# Allegro board 08_038702e.brd (continued)
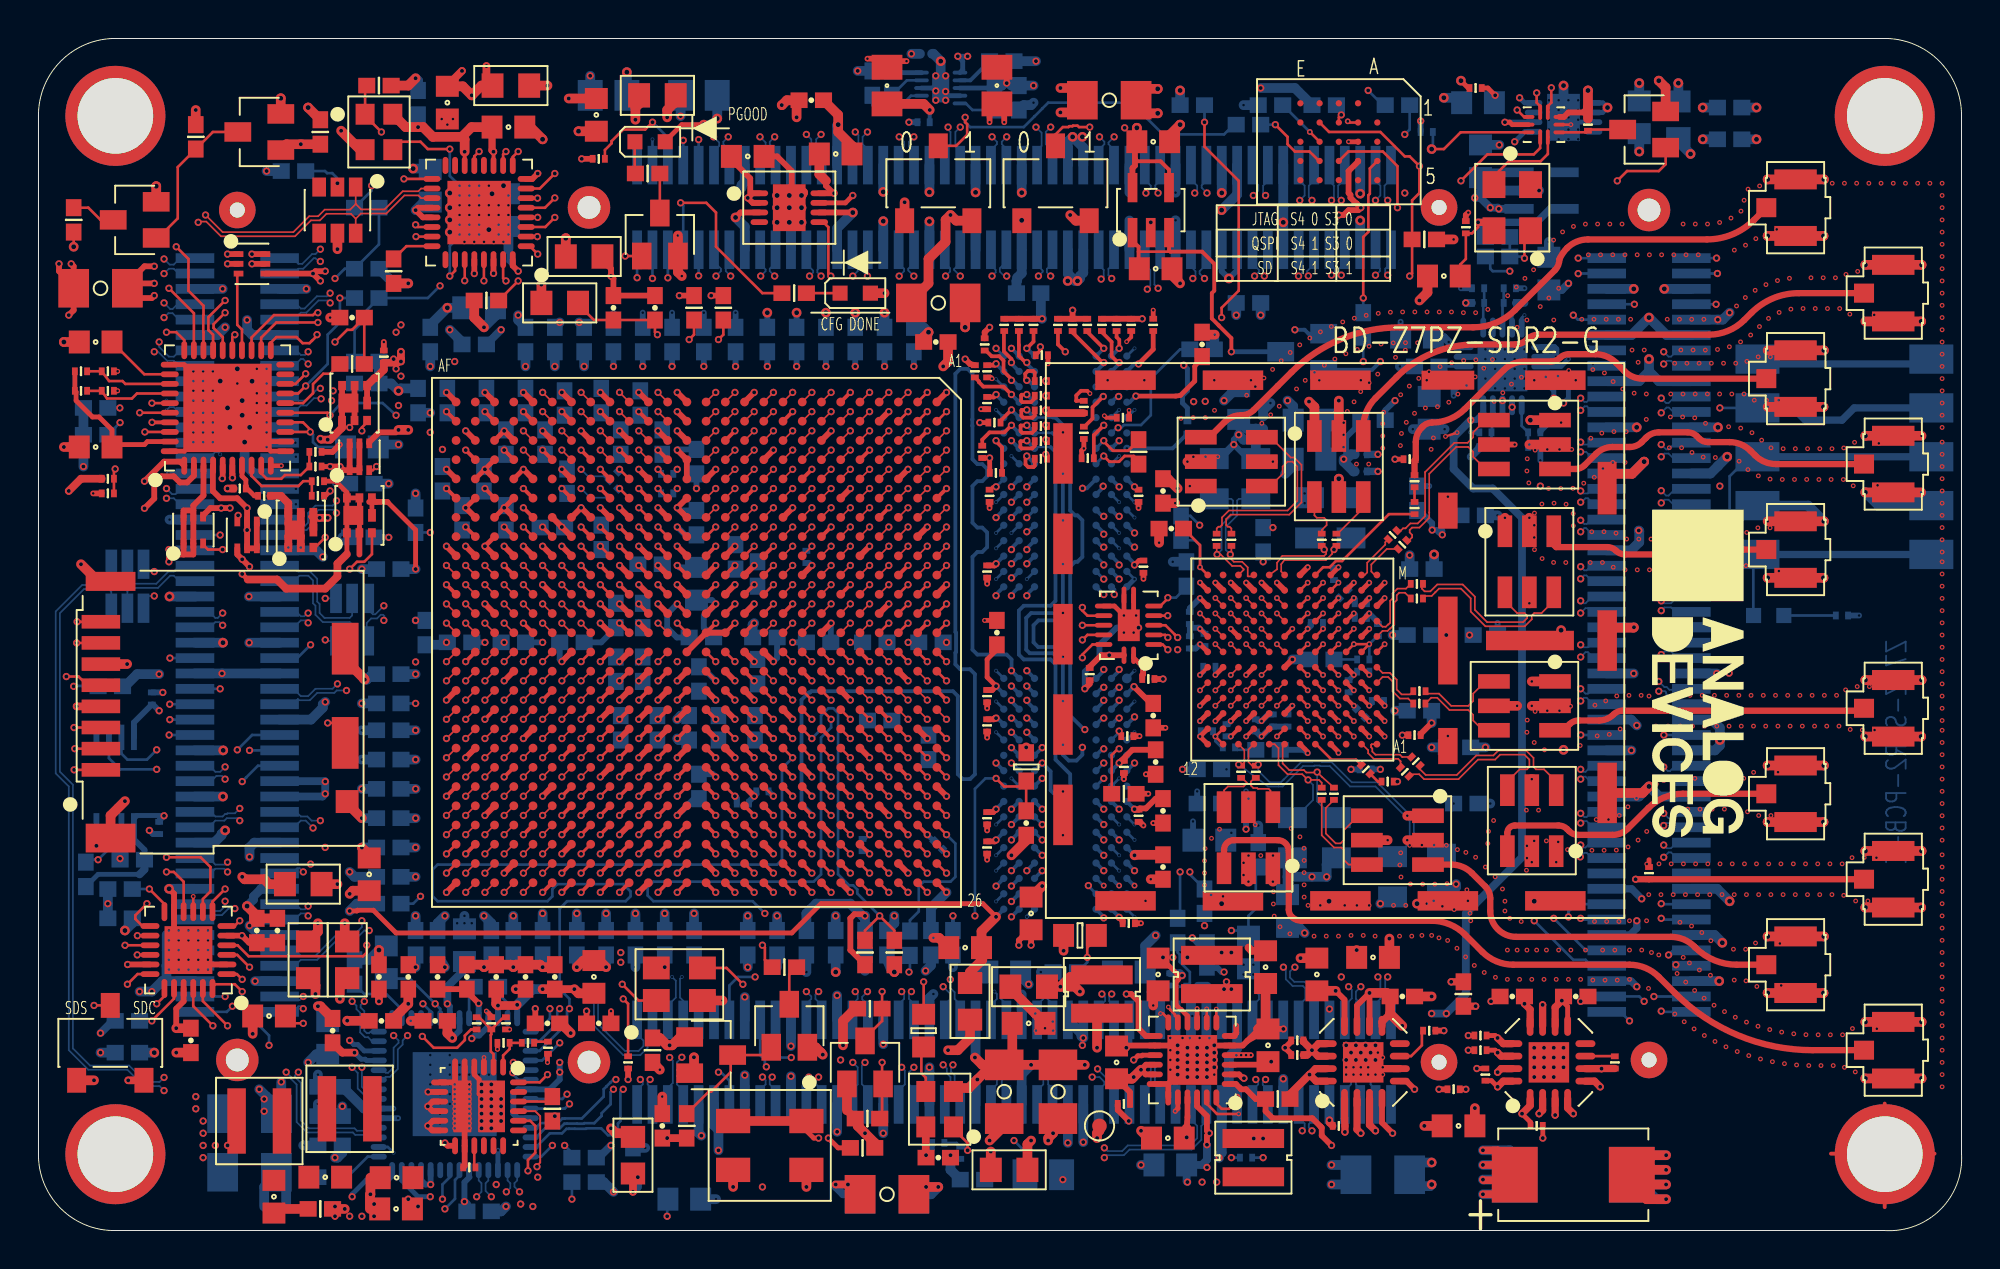
[diagram p0: board, top side]
## Routing (per net, layer and track width the routed paths; a pad name or vN(x,y) marks a point on that pad's centre or on a via; arc(x,y) is an arc through that point) (continued)
DDR3_DQ3: length 43.7
  TOP w0.197: U1.G26 v1(41.22,17.59)
  L17_SIG w0.14: v1(41.22,17.59) 41.64,18.02 43.23,18.02 43.85,18.64 43.85,18.74 44.07,18.95 48.36,18.95 49.33,19.92 52.88,19.92 53.14,19.67 53.14,15.6 53.67,15.08 53.67,14.4 53.65,14.38 53.65,11.67 53.39,11.41 50.09,11.41 49.84,11.16 49.84,10.78 50.09,10.52 54.66,10.52 54.92,10.78 54.92,15.09 54.15,15.86 54.15,19.54 54.54,19.92 55.68,19.92 56.07,20.31 v1(56.19,20.31)
  BOTTOM w0.197: U2.F8 v1(56.19,20.31)
DDR3_DQ4: length 43.5
  TOP w0.197: U1.H26 v1(40.22,17.59)
  L3_SIG w0.14: v1(52.19,21.91) 51.83,21.55 49.84,21.55 49.58,21.3 49.58,20.94 49.84,20.68 54.44,20.68 54.66,20.46 54.66,20.14 54.44,19.92 49.2,19.92 48.82,19.54 48.82,19.41 49.08,19.15 55.54,19.15 55.55,19.16 56.2,19.16 56.44,18.92 56.44,18.59 56.2,18.35 50.44,18.35 50.4,18.4 49.46,18.4 49.2,18.14 46.15,18.14 45.77,17.76 45.77,16.87 44.76,15.86 41.2,15.86 40.22,16.84 v1(40.22,17.59)
  BOTTOM w0.197: U2.H3 v1(52.19,21.91)
DDR3_DQ5: length 43.6
  TOP w0.197: U1.H23 v1(40.22,20.59)
  L4_SIG w0.14: v1(56.19,21.91) 56.48,21.91 56.95,22.38 56.95,22.46 57.2,22.71 57.96,22.71 58.22,22.97 59.62,22.97 60,23.35 61.52,23.35 61.88,22.99 61.88,22.86 62.54,22.21 64.19,22.21 64.57,22.59 64.57,23.24 64.19,23.62 62.01,23.62 61.39,24.24 60.38,24.24 60,24.62 60,24.67 59.66,25 59.19,25 58.85,24.67 58.85,23.73 58.63,23.51 58.44,23.51 58.22,23.73 58.22,25.38 57.97,25.64 57.61,25.64 57.35,25.38 57.35,23.36 57.14,23.15 56.72,23.15 55.9,22.33 55.3,22.33 54.52,21.55 50.34,21.55 49.86,21.06 49.46,21.06 48.82,20.43 47.93,20.43 47.3,21.06 40.69,21.06 40.22,20.59 v1(40.22,20.59)
  BOTTOM w0.197: U2.H8 v1(56.19,21.91)
DDR3_DQ6: length 43.4
  TOP w0.197: U1.J24 v1(39.22,19.59)
  L4_SIG w0.14: v1(39.22,19.59) 39.65,19.15 39.67,19.15 39.68,19.16 40.28,19.16 40.82,18.61 40.82,16.24 41.07,15.98 41.84,15.98 41.96,16.11 41.96,16.68 42.15,16.87 42.42,16.87 42.62,16.68 42.62,16.21 42.83,16 42.83,16 42.85,15.98 49.11,15.98 49.33,15.76 49.33,15.44 49.11,15.22 40.57,15.22 39.68,16.11 39.68,17.89 39.42,18.14 39.04,18.14 38.79,18.4 38.79,19.92 39.04,20.17 39.3,20.17 39.55,19.92 40.04,19.92 40.07,19.95 40.37,19.95 40.39,19.92 41.04,19.92 41.07,19.95 41.37,19.95 41.39,19.92 42.04,19.92 42.07,19.95 42.37,19.95 42.39,19.92 43.04,19.92 43.07,19.95 43.37,19.95 43.39,19.92 44.04,19.92 44.07,19.95 44.37,19.95 44.39,19.92 45.04,19.92 45.07,19.95 45.37,19.95 45.39,19.92 46.04,19.92 46.07,19.95 46.37,19.95 46.39,19.92 47.04,19.92 47.07,19.95 47.37,19.95 47.39,19.92 49.21,19.92 49.43,20.14 49.43,20.46 49.64,20.68 49.9,20.68 49.98,20.75 50.23,20.75 v1(50.59,21.11)
  BOTTOM w0.197: U2.G2 v1(50.59,21.11)
DDR3_DQ7: length 43.6
  TOP w0.197: U1.J23 v1(39.22,20.59)
  L17_SIG w0.14: v1(39.22,20.59) 38.8,20.17 32.18,20.17 31.8,19.79 31.8,16.36 31.55,16.11 30.91,16.11 30.89,16.13 30.89,16.13 30.68,16.34 30.68,16.35 30.66,16.36 30.66,20.81 31.08,21.23 36.41,21.23 36.61,21.42 36.87,21.42 37.07,21.23 37.1,21.23 47.37,21.23 47.62,21.48 52.34,21.48 52.37,21.44 52.88,21.44 53.35,21.91 v1(55.39,21.91)
  BOTTOM w0.197: U2.H7 v1(55.39,21.91)
DDR3_DQ8: length 44
  TOP w0.197: U1.K26 v1(38.22,17.59)
  L4_SIG w0.14: v1(38.22,17.59) 38.33,17.59 38.91,17 38.91,16.36 39.3,15.98 39.3,15.73 40.31,14.71 49.33,14.71 49.71,15.09 49.71,15.6 50.09,15.98 50.41,15.98 50.44,15.95 50.74,15.95 50.95,16.16 50.95,16.64 50.85,16.75 48.69,16.75 48.44,17 48.44,17.25 48.69,17.51 51.11,17.51 51.49,17.13 51.49,16.66 51.48,16.65 51.48,15.98 50.85,15.35 50.34,15.35 50.09,15.09 50.09,14.46 50.36,14.19 54,14.19 54.39,14.57 54.39,14.57 54.49,14.67 54.84,14.67 55.3,14.21 56.06,14.21 56.31,14.46 56.31,14.84 56.06,15.09 52.76,15.09 52.63,15.22 52.63,18.4 52.88,18.65 54.34,18.65 54.41,18.71 v1(55.39,18.71)
  BOTTOM w0.197: U2.D7 v1(55.39,18.71)
DDR3_DQ9: length 43.7
  TOP w0.197: U1.L23 v1(37.22,20.59)
  L6_SIG w0.14: v1(52.19,18.71) 52.26,18.65 52.63,18.65 52.76,18.52 53.46,18.52 53.65,18.71 53.65,18.97 53.46,19.16 52.35,19.16 52.34,19.15 52.04,19.15 52.04,19.16 50.75,19.16 50.74,19.15 48.57,19.15 47.72,20 46.97,20 46.75,20.23 43.82,20.23 43.58,20.46 43.58,22.55 44.25,23.23 44.37,23.23 44.58,23.44 44.58,23.55 45.14,24.11 45.6,24.11 45.85,24.37 45.85,24.91 45.64,25.13 43.83,25.13 43.68,24.97 43.68,23.54 43.58,23.44 43.58,23.44 43.37,23.23 43.34,23.23 42.85,22.74 42.85,21.23 42.57,20.95 42.12,20.95 41.84,21.23 41.84,23.73 41.45,24.11 34.09,24.11 33.71,23.73 33.71,22.46 35.1,21.06 36.74,21.06 v1(37.22,20.59)
  BOTTOM w0.197: U2.C3 v1(52.19,18.71)
DDR3_DQ10: length 43.8
  TOP w0.197: U1.M26 v1(36.22,17.59)
  L7_SIG w0.14: v1(36.22,17.59) 36.22,17.25 36.74,16.73 37.5,16.73 37.62,16.85 37.92,16.85 38.04,16.73 39.69,16.73 40.57,15.86 42.6,15.86 42.99,15.46 46.04,15.46 47.17,14.33 48.57,14.33 49.33,13.57 55.42,13.57 55.68,13.82 55.68,15.35 55.3,15.73 55.04,15.73 54.79,15.98 54.79,17 55.3,17.51 55.55,17.51 55.81,17.76 55.81,18.23 55.93,18.35 58.05,18.35 58.47,18.78 58.47,19.54 58.85,19.92 60.89,19.92 61.14,19.67 61.14,18.02 60.89,17.76 59.76,17.76 59.51,17.51 59.51,16.77 59.23,16.49 58.98,16.49 58.73,16.75 58.73,17.51 58.47,17.76 57.36,17.76 57.07,17.48 56.63,17.48 56.19,17.91 v6(56.19,17.94)
  BOTTOM w0.197: U2.C8 56.17,17.94 v6(56.19,17.94)
DDR3_DQ11: length 43.6
  TOP w0.197: U1.K23 v1(38.22,20.59)
  L6_SIG w0.14: v1(50.59,17.91) 50.81,17.69 50.83,17.69 51.02,17.51 52.41,17.51 52.63,17.73 52.63,18.05 52.41,18.28 52.04,18.28 49.45,18.28 49.33,18.4 48.57,18.4 47.74,19.23 43.04,19.23 42.72,19.54 42.72,19.62 42.43,19.92 42.4,19.92 42.37,19.95 42.07,19.95 42.04,19.92 42.01,19.92 41.71,19.62 41.71,19.41 41.46,19.16 41.1,19.16 40.85,19.41 40.85,19.51 40.69,19.67 40.69,22.84 40.31,23.22 34.22,23.22 34.09,23.1 34.09,22.71 34.6,22.21 39.39,22.21 39.85,21.74 39.85,19.67 39.47,19.29 39.42,19.29 39.37,19.23 37.07,19.23 36.85,19.44 36.85,19.89 37.14,20.17 37.64,20.17 37.77,20.3 37.77,20.94 38.03,21.19 38.66,21.19 38.79,21.06 38.79,20.68 38.66,20.56 38.25,20.56 v1(38.22,20.59)
  BOTTOM w0.197: U2.C2 v1(50.59,17.91)
DDR3_DQ12: length 43.9
  TOP w0.197: U1.M25 v1(36.22,18.59)
  L15_SIG w0.14: v1(55.39,16.26) 54.31,16.26 53.06,17.51 48.57,17.51 48.19,17.13 46.15,17.13 45.58,17.7 45.58,17.74 45.37,17.95 45.33,17.95 44.85,18.43 44.85,19.74 44.88,19.77 44.88,20.43 44.58,20.73 44.58,20.74 44.13,21.19 43.11,21.19 42.72,20.81 42.72,17.46 42.39,17.13 41.91,17.13 41.58,17.46 41.58,20.85 41.34,21.08 41.13,21.08 40.69,20.65 40.69,15.63 40.41,15.35 40.01,15.35 39.73,15.63 39.73,20.77 39.43,21.06 39.01,21.06 38.71,20.77 38.71,19.41 38.46,19.16 36.76,19.16 36.22,18.62 v1(36.22,18.59)
  BOTTOM w0.197: v1(55.39,16.26) 55.39,16.31 U2.A7
DDR3_DQ13: length 43.8
  TOP w0.197: U1.N24 v1(35.22,19.59)
  L3_SIG w0.14: v1(35.22,19.59) 35.22,19.75 34.92,20.05 34.72,20.05 34.6,19.92 34.6,17 34.45,16.85 33.94,16.85 33.73,16.64 33.73,16.64 33.63,16.54 33.63,16.34 33.85,16.12 36.26,16.12 36.5,16.36 36.5,16.58 36.67,16.75 37.51,16.75 37.62,16.85 37.92,16.85 38.03,16.75 38.66,16.75 39.93,15.48 39.93,13.06 40.18,12.81 40.82,12.81 40.93,12.7 40.93,12.28 40.72,12.07 40.71,12.07 40.57,11.92 40.57,11.67 40.82,11.41 43.49,11.41 43.61,11.54 43.61,11.79 43.49,11.92 42.34,11.92 41.96,12.3 41.96,12.55 42.22,12.81 44.12,12.81 44.52,12.41 44.52,12.28 44.73,12.07 53.29,12.07 53.53,12.3 53.53,13.18 52.76,13.95 52.76,14.84 53.01,15.09 53.27,15.09 53.52,15.35 53.52,15.86 53.27,16.11 51.36,16.11 51.16,16.31 v1(50.59,16.31)
  BOTTOM w0.197: U2.A2 v1(50.59,16.31)
DDR3_DQ14: length 43.8
  TOP w0.197: U1.M24 v1(36.22,19.59)
  L3_SIG w0.14: v3(55.69,17.11) 55.3,17.51 47.68,17.51 47.3,17.13 46.66,17.13 46.41,16.87 46.41,16.24 46.66,15.98 47.99,15.98 48.19,15.79 48.19,15.52 47.99,15.33 45.15,15.33 45.05,15.43 41.54,15.43 41.33,15.22 41.33,14.92 41.54,14.71 47.42,14.71 47.68,14.46 47.68,14.21 47.42,13.95 40.95,13.95 40.69,14.21 40.69,15.73 39.55,16.87 39.55,17 39.32,17.23 39.07,17.23 38.85,17.44 38.85,17.7 38.53,18.02 37.39,18.02 37.18,18.23 37.07,18.23 36.85,18.44 36.85,18.55 36.22,19.19 v1(36.22,19.59)
  L19_GND w0.14: v4(56.19,17.11) v3(55.69,17.11)
  BOTTOM w0.197: v4(56.19,17.11) U2.B8
DDR3_DQ15: length 43.7
  TOP w0.197: U1.N23 v1(35.22,20.59)
  L3_SIG w0.14: v3(51.87,16.49) 51.61,16.75 50.34,16.75 50.15,16.55 50.15,15.92 50.34,15.73 52.25,15.73 52.5,15.48 52.5,14.96 52.49,14.95 52.49,14.7 52.25,14.46 48.31,14.46 48.19,14.33 48.19,13.95 48.31,13.82 50.22,13.82 50.34,13.95 52.13,13.95 52.37,13.72 52.37,13.56 52.25,13.44 51.36,13.44 51.11,13.19 51.11,12.68 50.85,12.43 50.22,12.43 49.96,12.68 49.96,13.19 49.71,13.44 49.07,13.44 48.82,13.19 48.82,12.55 48.69,12.43 48.06,12.43 47.93,12.55 47.93,13.19 47.68,13.44 46.92,13.44 46.66,13.19 46.66,12.81 46.28,12.43 45.9,12.43 45.75,12.57 45.75,12.58 45.31,13.02 44.33,13.02 44.27,13.08 43.98,13.08 43.74,13.32 42.09,13.32 41.79,13.02 41.28,13.02 41.11,13.19 40.69,13.19 40.31,13.57 40.31,15.6 38.79,17.13 37.26,17.13 37.16,17.23 37.07,17.23 36.85,17.44 36.85,17.54 36.16,18.23 36.07,18.23 35.61,18.68 35.61,20.17 35.22,20.57 v1(35.22,20.59)
  L19_GND w0.14: v3(51.87,16.49) 51.69,16.31 v4(51.39,16.31)
  BOTTOM w0.197: U2.A3 v4(51.39,16.31)
DDR3_DQ16: length 46
  TOP w0.197: U1.R26 v1(32.22,17.59)
  L15_SIG w0.14: v1(32.22,17.59) 31.8,18 30.96,18 30.66,18.3 30.66,18.73 30.96,19.03 31.42,19.03 31.8,19.41 31.8,25.76 32.27,26.23 32.37,26.23 32.58,26.44 32.58,26.54 33.27,27.23 35.42,27.23 35.74,26.91 35.74,26.55 36.07,26.23 36.46,26.23 36.63,26.4 36.63,27.79 36.88,28.05 37.39,28.05 37.64,27.79 37.9,27.79 38.03,27.92 38.03,28.27 38.01,28.28 37.77,28.52 37.77,28.94 38.03,29.19 38.41,29.19 38.53,29.06 39.2,29.06 39.58,29.44 39.58,29.74 39.37,29.95 39.3,29.95 39.3,29.95 38.8,29.95 38.68,30.08 38.68,30.21 38.55,30.33 38.15,30.33 38.03,30.46 38.03,30.97 38.15,31.1 39.37,31.1 39.59,31.32 39.59,31.82 39.42,31.99 38.8,31.99 38.68,32.11 38.68,32.56 39.07,32.95 39.12,32.95 39.85,33.69 39.85,33.74 40.07,33.95 40.12,33.95 40.85,34.69 40.85,34.74 41.07,34.95 41.12,34.95 41.85,35.69 41.85,35.74 42.07,35.95 42.12,35.95 42.85,36.69 42.85,36.74 43.07,36.95 43.12,36.95 43.36,37.19 48.95,37.19 49.46,37.7 50.26,37.7 50.52,37.44 50.74,37.44 51.03,37.15 51.03,36.73 51.02,36.72 v1(51.39,36.34)
  BOTTOM w0.197: U3.E3 51.46,36.34 v1(51.39,36.34)
DDR3_DQ17: length 45.8
  TOP w0.197: U1.P24 v1(33.22,19.59)
  L7_SIG w0.14: v1(55.39,37.14) 55.33,37.08 54.68,37.08 53.39,35.8 53.39,33.38 53.27,33.26 52.12,33.26 51.75,32.89 51.75,32.87 51.54,32.65 49.96,32.65 49.93,32.62 49.33,32.62 48.82,33.13 46.96,33.13 46.66,33.43 46.66,34.86 46.36,35.16 45.94,35.16 45.65,34.86 45.65,32.62 45.77,32.49 45.77,29.36 45.47,29.06 45.05,29.06 44.76,29.36 44.76,31.86 44.5,32.11 44.12,32.11 43.87,31.86 43.87,31.75 43.85,31.74 43.85,31.44 43.87,31.43 43.87,30.75 43.85,30.74 43.85,30.44 43.87,30.43 43.87,29.75 43.85,29.74 43.85,29.3 43.61,29.06 40.18,29.06 39.85,28.74 39.85,28.7 39.11,27.95 39.07,27.95 38.85,27.74 38.85,27.7 38.11,26.95 38.07,26.95 37.85,26.74 37.85,26.7 37.11,25.95 37.07,25.95 36.85,25.74 36.85,25.7 36.11,24.95 36.07,24.95 35.85,24.74 35.85,24.7 35.84,24.69 35.84,24.33 35.47,23.95 35.07,23.95 34.58,23.47 34.58,20.96 v1(33.22,19.59)
  BOTTOM w0.197: U3.F7 55.33,37.14 v1(55.39,37.14)
DDR3_DQ18: length 45.7
  TOP w0.197: U1.N26 v1(35.22,17.59)
  L15_SIG w0.14: v1(50.59,37.08) 50.3,37.08 49.87,36.65 49.52,36.65 49.17,36.3 49.17,35.95 48.77,35.54 47.8,35.54 47.3,36.05 43.36,36.05 43.26,35.95 43.07,35.95 42.85,35.74 42.85,35.54 42.26,34.95 42.07,34.95 41.85,34.74 41.85,34.54 41.26,33.95 41.07,33.95 40.85,33.74 40.85,33.54 40.26,32.95 40.07,32.95 39.85,32.74 39.85,31.43 40.31,30.97 40.31,30.33 39.85,29.88 39.85,28.73 39.58,28.46 39.58,28.44 39.37,28.23 39.34,28.23 38.85,27.74 38.85,27.72 38.37,27.23 38.34,27.23 37.85,26.74 37.85,26.72 37.65,26.52 37.65,26.24 37.37,25.95 34.92,25.95 34.72,26.14 34.72,26.65 34.6,26.78 33.96,26.78 33.49,26.31 33.49,26.11 33.83,25.76 33.83,25.38 33.58,25.13 32.95,25.13 32.69,24.87 32.69,24.37 32.95,24.11 33.58,24.11 33.83,23.86 33.83,23.35 33.58,23.1 32.95,23.1 32.69,22.84 32.69,22.33 32.95,22.08 33.58,22.08 33.83,21.83 33.83,21.32 33.58,21.06 32.95,21.06 32.69,20.81 32.69,20.3 32.82,20.17 33.58,20.17 33.83,19.92 33.83,19.29 33.71,19.16 32.95,19.16 32.69,18.9 32.69,18.27 32.95,18.02 33.58,18.02 33.71,18.14 33.71,18.65 33.83,18.78 34.03,18.78 v1(35.22,17.59)
  BOTTOM w0.197: U3.F2 v1(50.59,37.08)
DDR3_DQ19: length 45.8
  TOP w0.197: U1.P23 v1(33.22,20.59)
  L7_SIG w0.14: v1(56.19,37.14) 56.26,37.14 56.57,37.45 56.57,39.26 56.35,39.48 55.3,39.48 54.92,39.1 54.92,38.46 54.43,37.97 53.53,37.97 52.63,37.07 52.63,36.94 51.53,35.84 49.54,35.84 49.07,36.3 49.07,38.84 48.82,39.1 44.12,39.1 43.87,38.84 43.87,38.75 43.85,38.74 43.85,38.32 43.61,38.08 41.96,38.08 41.71,37.83 41.71,33.38 41.45,33.13 40.95,33.13 40.58,32.76 40.58,32.44 40.37,32.23 40.07,32.23 39.58,31.74 39.58,31.44 39.37,31.23 39.04,31.23 37.85,30.04 37.85,28.71 37.37,28.23 37.34,28.23 36.58,27.46 36.58,27.44 36.37,27.23 36.34,27.23 35.85,26.74 35.85,26.6 35.2,25.95 35.07,25.95 34.85,25.74 34.85,25.6 34.6,25.35 34.6,24.43 34.05,23.88 34.05,21.18 33.46,20.59 v1(33.22,20.59)
  BOTTOM w0.197: U3.F8 56.13,37.14 v1(56.19,37.14)
DDR3_DQ20: length 46.2
  TOP w0.197: U1.T24 v1(31.22,19.59)
  L7_SIG w0.14: v1(31.22,19.59) 31.55,19.92 31.55,20.17 31.85,20.48 31.85,20.74 32.07,20.95 32.58,20.95 32.85,21.23 32.85,24.74 33.07,24.95 33.28,24.95 33.83,25.51 33.83,26.52 34.72,27.41 34.72,27.61 35.34,28.23 35.37,28.23 35.58,28.44 35.58,28.46 36.07,28.95 36.26,28.95 36.63,29.32 36.63,30.46 37.85,31.69 37.85,31.74 38.07,31.95 38.12,31.95 38.85,32.69 38.85,32.74 39.07,32.95 39.12,32.95 39.68,33.51 39.68,39.86 40.04,40.23 43.37,40.23 43.85,40.71 43.85,40.74 44.07,40.95 44.32,40.95 44.5,41.13 47.8,41.13 48.59,41.91 48.59,42.17 48.8,42.38 49.22,42.38 50.23,41.37 50.23,40.13 50.44,39.92 50.44,39.04 50.23,38.83 50.23,37.73 50.51,37.45 52.25,37.45 52.5,37.7 52.5,38.46 52.25,38.72 51.43,38.72 v1(51.39,38.68)
  BOTTOM w0.197: U3.H3 v1(51.39,38.68)
DDR3_DQ21: length 45.9
  TOP w0.197: U1.T25 v1(31.22,18.59)
  L7_SIG w0.14: v1(56.19,38.68) 56.19,38.67 56.19,38.08 55.93,37.83 54.79,37.83 54.67,37.71 53.71,37.71 53.27,37.26 53.27,36.56 52.88,36.18 52.88,34.4 52,33.52 49.84,33.52 49.58,33.77 49.58,34.38 49.31,34.65 48.06,34.65 47.58,35.13 47.58,35.74 47.37,35.95 47.37,35.97 47.11,36.23 47.07,36.23 46.85,36.44 46.85,36.68 46.6,36.94 46.38,36.94 46.37,36.95 46.07,36.95 46.05,36.94 45.38,36.94 45.37,36.95 45.07,36.95 45.05,36.94 44.38,36.94 44.37,36.95 44.07,36.95 44.05,36.94 43.38,36.94 43.37,36.95 43.07,36.95 43.05,36.94 42.98,36.94 42.72,36.68 42.72,33.26 42.47,33 41.96,33 41.71,32.75 41.71,30.24 41.54,30.08 40.18,30.08 39.58,29.47 39.58,29.44 39.37,29.23 39.33,29.23 38.58,28.47 38.58,28.44 38.37,28.23 38.33,28.23 37.58,27.47 37.58,27.44 37.37,27.23 37.33,27.23 36.58,26.47 36.58,26.44 36.37,26.23 36.33,26.23 35.58,25.47 35.58,24.44 35.37,24.23 34.96,24.23 34.32,23.58 34.32,21.07 33.45,20.2 33.2,20.2 32.82,19.82 32.82,19.54 32.33,19.05 31.68,19.05 v1(31.22,18.59)
  BOTTOM w0.197: U3.H8 v1(56.19,38.68)
DDR3_DQ22: length 46
  TOP w0.197: U1.T23 v1(31.22,20.59)
  L7_SIG w0.14: v1(31.22,20.59) 31.85,21.23 32.37,21.23 32.59,21.45 32.59,25.53 32.95,25.89 32.95,26.35 32.85,26.44 32.85,26.74 33.07,26.95 33.37,26.95 34.34,27.92 34.34,28.23 35.07,28.95 35.12,28.95 35.23,29.06 35.36,29.06 35.85,29.56 35.85,29.74 36.12,30.01 36.12,30.97 36.85,31.7 36.85,31.74 37.07,31.95 37.1,31.95 37.85,32.7 37.85,32.74 38.07,32.95 38.1,32.95 38.85,33.7 38.85,40.81 39.27,41.23 43.46,41.23 43.85,41.62 43.85,42 43.99,42.15 48.06,42.15 48.31,42.4 48.31,43.59 48.57,43.84 50.74,43.84 50.95,43.63 50.95,41.23 51.03,41.15 51.03,40.13 51.24,39.92 51.24,39.03 51.03,38.83 51.03,38.01 50.9,37.88 v1(50.59,37.88)
  BOTTOM w0.197: U3.G2 v1(50.59,37.88)
DDR3_DQ23: length 46
  TOP w0.197: U1.R23 v1(32.22,20.59)
  L7_SIG w0.14: v1(32.22,20.59) 32.7,20.59 33.07,20.95 33.09,20.95 33.78,21.64 33.78,24.91 34.22,25.34 34.22,26.02 34.85,26.65 34.85,26.74 35.07,26.95 35.15,26.95 35.85,27.65 35.85,27.74 36.07,27.95 36.23,27.95 36.85,28.57 36.85,28.74 37.07,28.95 37.09,28.95 37.58,29.44 37.58,29.74 37.37,29.95 37.37,30.42 38.17,31.23 38.37,31.23 38.58,31.44 38.58,31.65 39.16,32.23 39.37,32.23 39.58,32.44 39.58,32.65 40.16,33.23 40.37,33.23 40.58,33.44 40.58,38.86 40.95,39.23 43.37,39.23 43.58,39.44 43.58,39.57 44.12,40.11 47.68,40.11 48.19,40.62 48.19,40.88 48.57,41.26 48.95,41.26 49.96,40.24 49.96,39.99 49.43,39.45 49.43,36.92 49.46,36.89 49.46,36.68 49.84,36.3 50.47,36.3 50.85,36.68 51.22,36.68 51.24,36.7 51.54,36.7 51.56,36.68 51.87,36.68 53.88,38.7 53.88,38.82 54.15,39.1 54.3,39.1 54.45,38.95 54.45,38.76 v1(54.29,38.6)
  BOTTOM w0.197: U3.H7 54.52,38.6 v1(54.29,38.6)
DDR3_DQ24: length 43.7
  TOP w0.197: U1.V24 v1(29.22,19.59)
  L4_SIG w0.14: v3(33.96,31.6) 33.96,31.73 33.71,31.99 31.93,31.99 31.68,31.73 31.68,31.35 31.93,31.1 32.18,31.1 32.44,30.84 32.44,30.46 31.93,29.95 31.93,29.81 31.85,29.74 31.85,29.62 31.18,28.95 31.07,28.95 30.85,28.74 30.85,28.5 30.41,28.05 30.1,28.05 29.59,27.54 29.59,19.96 v1(29.22,19.59)
  L6_SIG w0.14: v3(33.96,31.6) 34.85,30.72 34.98,30.72 35.85,31.59 35.85,31.74 36.07,31.95 36.21,31.95 36.85,32.59 36.85,32.74 37.07,32.95 37.21,32.95 37.85,33.59 37.85,33.74 38.07,33.95 38.21,33.95 38.85,34.59 38.85,34.74 39.07,34.95 39.21,34.95 39.85,35.59 39.85,35.74 40.07,35.95 40.21,35.95 40.85,36.59 40.85,36.74 41.18,37.07 47.55,37.07 47.93,36.68 51.22,36.68 51.24,36.7 53.63,36.7 54.79,35.54 v1(55.39,35.54)
  BOTTOM w0.197: U3.D7 55.33,35.54 v1(55.39,35.54)
DDR3_DQ25: length 43.8
  TOP w0.197: U1.U26 v1(30.22,17.59)
  L3_SIG w0.14: v1(30.22,17.59) 30.23,17.59 30.79,18.14 30.79,18.78 31.23,19.23 31.37,19.23 31.58,19.44 31.58,20.71 32.09,21.23 33.49,21.23 34.47,22.21 37.47,22.21 37.83,21.84 37.83,21.61 37.8,21.58 37.85,21.53 37.85,21.44 38.07,21.23 38.28,21.23 38.85,20.65 38.85,20.44 39.07,20.23 39.37,20.23 39.85,19.74 39.85,19.44 40.07,19.23 40.37,19.23 40.85,18.74 40.85,18.44 41.07,18.23 44.37,18.23 44.58,18.44 44.58,18.47 45.33,19.23 45.37,19.23 45.58,19.44 45.58,19.47 46.33,20.23 46.37,20.23 46.58,20.44 46.58,20.47 47.33,21.23 47.37,21.23 47.58,21.44 47.58,21.47 48.44,22.33 48.44,34.53 48.69,34.78 49.18,34.78 49.43,34.53 49.43,33.73 49.64,33.52 49.7,33.52 49.71,33.51 50.81,33.51 51.03,33.73 51.03,34.32 v1(51.39,34.68)
  BOTTOM w0.197: U3.C3 v1(51.39,34.68)
DDR3_DQ26: length 43.6
  TOP w0.197: U1.U24 v1(30.22,19.59)
  L4_SIG w0.14: v3(33.83,29.57) 33.83,30.97 33.58,31.22 33.07,31.22 32.82,30.97 32.82,29.7 32.56,29.45 32.56,29.06 32.82,28.81 32.82,28.43 32.46,28.07 31.27,28.07 31.15,27.95 31.07,27.95 30.85,27.74 30.85,27.65 30.15,26.95 30.07,26.95 29.85,26.74 29.85,19.95 v1(30.22,19.59)
  L6_SIG w0.14: v1(56.19,34.61) 55.9,34.61 55.54,34.25 54.55,34.25 54.52,34.28 52.3,34.28 51.54,35.04 47.65,35.04 47.48,35.22 40.24,35.22 39.58,34.55 39.58,34.44 39.37,34.23 39.25,34.23 38.58,33.55 38.58,33.44 38.37,33.23 38.25,33.23 37.58,32.55 37.58,32.44 37.37,32.23 37.25,32.23 36.58,31.55 36.58,31.44 36.37,31.23 36.25,31.23 35.36,30.33 33.97,30.33 33.83,30.19 v3(33.83,29.57)
  BOTTOM w0.197: v1(56.19,34.61) 56.19,34.68 U3.C8
DDR3_DQ27: length 43.8
  TOP w0.197: U1.U25 v1(30.22,18.59)
  L3_SIG w0.14: v1(50.59,34.68) 50.98,35.07 50.98,35.6 50.74,35.84 50.02,35.84 49.98,35.8 48.31,35.8 48.06,35.54 48.06,23.1 47.58,22.61 47.58,22.44 47.37,22.23 47.19,22.23 46.58,21.61 46.58,21.44 46.37,21.23 46.19,21.23 45.58,20.61 45.58,20.3 45.44,20.3 45.37,20.23 45.32,20.23 44.85,19.76 44.85,19.2 44.63,18.98 43.51,18.98 43.33,19.16 41.13,19.16 40.85,19.44 40.85,19.63 40.26,20.23 40.07,20.23 39.85,20.44 39.85,20.63 39.26,21.23 39.07,21.23 38.85,21.44 38.85,21.63 38.53,21.95 38.1,21.95 38.1,21.96 37.58,22.48 37.58,22.74 37.35,22.97 36.88,22.97 36.76,23.1 34.6,23.1 33.45,21.95 30.91,21.95 30.66,21.7 30.66,19.03 30.22,18.59 v1(30.22,18.59)
  BOTTOM w0.197: U3.C2 v1(50.59,34.68)
DDR3_DQ28: length 43.5
  TOP w0.197: U1.W26 v1(28.22,17.59)
  L7_SIG w0.14: v1(55.39,33.08) 55.43,33.08 55.79,32.72 55.8,32.72 56.55,31.96 56.55,27.36 56.34,27.15 56.06,27.15 55.75,26.85 55.75,26.56 55.75,26.5 55.54,26.29 55.32,26.29 54.52,25.49 54.13,25.49 53.32,24.68 52.04,24.68 51.24,23.88 49.64,23.88 49.46,23.69 47.62,23.69 47.37,23.95 47.07,23.95 46.85,23.74 46.58,23.74 46.37,23.95 44.07,23.95 43.85,23.74 43.85,23.37 43.44,22.95 43.07,22.95 42.58,22.46 42.58,22.44 42.09,21.95 42.07,21.95 41.58,21.46 41.58,21.44 41.09,20.95 41.07,20.95 40.85,20.74 40.85,20.72 40.58,20.44 40.58,20.44 40.37,20.23 40.34,20.23 39.85,19.74 39.85,19.72 39.37,19.23 39.34,19.23 38.85,18.74 38.85,18.72 38.36,18.23 36.33,18.23 35.85,17.75 35.85,17.44 35.87,17.43 35.87,16.75 35.59,16.47 35.59,16.34 35.38,16.13 35.25,16.13 34.47,15.35 31.8,15.35 31.42,15.73 29.77,15.73 29.37,16.13 29.37,16.13 29.15,16.34 29.15,16.34 28.75,16.75 28.75,17 28.22,17.54 v1(28.22,17.59)
  BOTTOM w0.197: U3.A7 v1(55.39,33.08)
DDR3_DQ29: length 43.9
  TOP w0.197: U1.Y25 v1(27.22,18.59)
  L15_SIG w0.14: v1(27.22,18.59) 27.3,18.59 27.93,19.23 28.37,19.23 28.58,19.44 28.58,19.46 29.07,19.95 29.16,19.95 29.85,20.64 29.85,20.74 30.34,21.23 30.37,21.23 30.58,21.44 30.58,25.47 30.84,25.74 30.85,25.74 31.07,25.95 31.09,25.95 31.85,26.72 31.85,26.74 32.07,26.95 32.09,26.95 32.69,27.55 32.69,27.58 33.08,27.96 36.03,27.96 36.3,28.23 36.37,28.23 36.58,28.44 36.58,28.5 37.3,29.23 37.37,29.23 37.58,29.44 37.58,32.46 38.07,32.95 38.23,32.95 38.85,33.58 38.85,33.74 39.07,33.95 39.23,33.95 39.85,34.58 39.85,34.74 40.07,34.95 40.23,34.95 40.85,35.58 40.85,35.74 41.07,35.95 41.23,35.95 41.85,36.58 41.85,36.74 42.07,36.95 42.23,36.95 42.85,37.58 42.85,37.74 43.07,37.95 43.23,37.95 50.44,38.24 50.74,38.24 50.95,38.03 50.95,37.98 51.03,37.9 51.03,37.73 51.24,37.52 51.54,37.52 51.74,37.32 51.74,37.24 51.75,37.23 51.75,36.93 51.74,36.92 51.74,36.5 51.75,36.49 51.75,35.27 51.74,35.25 51.74,34.84 51.75,34.83 51.75,34.53 51.74,34.52 v1(50.59,33.01)
  BOTTOM w0.197: U3.A2 50.59,33.08 v1(50.59,33.01)
DDR3_DQ30: length 43.8
  TOP w0.197: U1.Y26 v1(27.22,17.59)
  L4_SIG w0.14: v1(27.22,17.59) 27.22,17.62 27.74,18.14 27.74,21.6 27.85,21.72 27.85,21.74 28.34,22.23 28.37,22.23 28.58,22.44 28.58,27.49 29.31,28.23 29.37,28.23 29.85,28.72 29.85,28.74 30.07,28.95 v3(30.66,29.19)
  L6_SIG w0.14: v1(56.19,33.88) 56.17,33.88 55.81,33.51 54.92,33.51 54.41,34.02 51.23,34.02 50.93,34.32 48.1,34.32 47.93,34.49 47.82,34.49 47.37,34.95 40.8,34.95 40.58,34.73 40.58,34.44 40.37,34.23 40.08,34.23 39.58,33.73 39.58,33.44 39.37,33.23 39.08,33.23 38.58,32.73 38.58,32.44 38.37,32.23 38.08,32.23 37.58,31.73 37.58,31.44 37.37,31.23 37.08,31.23 35.8,29.95 35.36,29.95 35.35,29.95 34.85,29.95 34.09,29.19 v3(30.66,29.19)
  BOTTOM w0.197: U3.B8 v1(56.19,33.88)
DDR3_DQ31: length 43.6
  TOP w0.197: U1.W23 v1(28.22,20.59)
  L15_SIG w0.14: v1(28.22,20.59) 28.66,20.59 29.3,21.23 29.37,21.23 29.58,21.44 29.58,21.5 29.64,21.57 29.64,25.51 29.85,25.72 29.85,25.74 30.07,25.95 30.09,25.95 30.85,26.72 30.85,26.74 31.07,26.95 31.09,26.95 31.58,27.44 31.58,27.47 31.83,27.72 31.84,27.72 32.07,27.95 32.09,27.95 32.85,28.72 32.85,28.74 33.07,28.95 33.37,28.95 33.38,28.94 35.05,28.94 35.07,28.95 35.37,28.95 35.38,28.94 36.05,28.94 36.34,29.23 36.37,29.23 36.58,29.44 36.58,29.46 36.63,29.51 36.63,32.51 37.34,33.23 37.37,33.23 37.85,33.72 37.85,33.74 38.34,34.23 38.37,34.23 38.85,34.72 38.85,34.74 39.34,35.23 39.37,35.23 39.85,35.72 39.85,35.74 40.34,36.23 40.37,36.23 40.85,36.72 40.85,36.74 41.34,37.23 41.37,37.23 41.85,37.72 41.85,37.74 42.34,38.23 42.37,38.23 42.85,38.72 42.85,38.74 43.07,38.95 43.08,38.95 43.36,39.22 51.36,39.22 52.5,38.08 52.5,34.13 v1(51.39,33.01)
  BOTTOM w0.197: U3.A3 51.39,33.08 v1(51.39,33.01)
DDR3_DQS0_N: length 43.5
  TOP w0.152: U1.G25 v1(41.22,18.59)
  L4_SIG w0.13: v1(52.19,21.11) 53.33,21.11 53.41,21.19 54.97,21.19 55.24,21.47 57.86,21.47 57.96,21.57 57.96,22.08 58.37,22.48 60.99,22.48 61.4,22.08 61.4,21.44 61.38,21.43 61.38,21.13 61.52,20.99 61.52,19.79 61.01,19.29 60.5,19.29 59.87,19.92 58.62,19.92 58.12,19.41 57.4,19.41 57.14,19.16 55.24,19.16 54.99,19.41 52.58,19.41 52.55,19.38 52.55,19.37 52.34,19.16 49.29,19.16 49.09,18.96 48.19,18.96 47.93,18.7 47.93,17.11 47.57,16.74 47.36,16.74 47.36,16.75 47,16.75 46.57,17.17 46.57,18.74 46.36,18.95 46.17,18.95 46.15,18.96 46.14,18.95 46.07,18.95 45.86,18.74 45.86,17.18 45.42,16.75 44.82,16.75 44.57,17 44.57,18.74 44.35,18.96 43.74,18.96 43.72,18.98 42.81,18.98 42.79,18.96 41.48,18.96 41.47,18.96 40.95,18.96 40.9,18.91 v1(41.22,18.59)
  BOTTOM w0.152: U2.G3 v1(52.19,21.11)
DDR3_DQS0_P: length 43.6
  TOP w0.152: U1.H24 v1(40.22,19.59)
  L4_SIG w0.13: v1(52.19,20.31) 52.74,20.86 53.44,20.86 53.52,20.94 55.07,20.94 55.24,20.76 57.14,20.76 57.44,21.06 57.82,21.06 58.22,21.47 58.22,21.97 58.47,22.23 60.89,22.23 61.14,21.97 61.14,21.55 61.12,21.53 61.12,21.02 61.26,20.88 61.26,19.9 60.91,19.54 60.61,19.54 59.98,20.18 58.52,20.18 58.01,19.67 57.34,19.67 57.14,19.87 55.24,19.87 55.04,19.67 52.54,19.67 52.34,19.87 49.64,19.87 48.99,19.21 48.08,19.21 47.67,18.81 47.67,17.21 47.46,17 47.11,17 46.83,17.28 46.83,18.84 46.47,19.2 46.27,19.2 46.26,19.21 46.15,19.21 ; 46.05,19.21 46.03,19.2 45.96,19.2 45.6,18.84 45.6,17.29 45.31,17 44.93,17 44.83,17.1 44.83,18.84 44.46,19.21 43.85,19.21 43.83,19.23 42.7,19.23 42.69,19.21 41.59,19.21 41.58,19.22 41.06,19.22 41.01,19.27 40.53,19.27 v1(40.22,19.59) ; 46.05,19.21 46.15,19.21 ; 46.05,19.21 46.15,19.21